# Altium PCB top_1.PcbDoc (part 4 of 5)
Units mil, origin at the board's own origin, x right, y up, seen from the top; angles counter-clockwise.
Board outline 12029.02 x 5828 mil, 2 copper layers (Top Layer, Bottom Layer); 775 components, 466 nets, 1984 pads, 387 vias.
Unrouted connection lines stored in the file: 279.
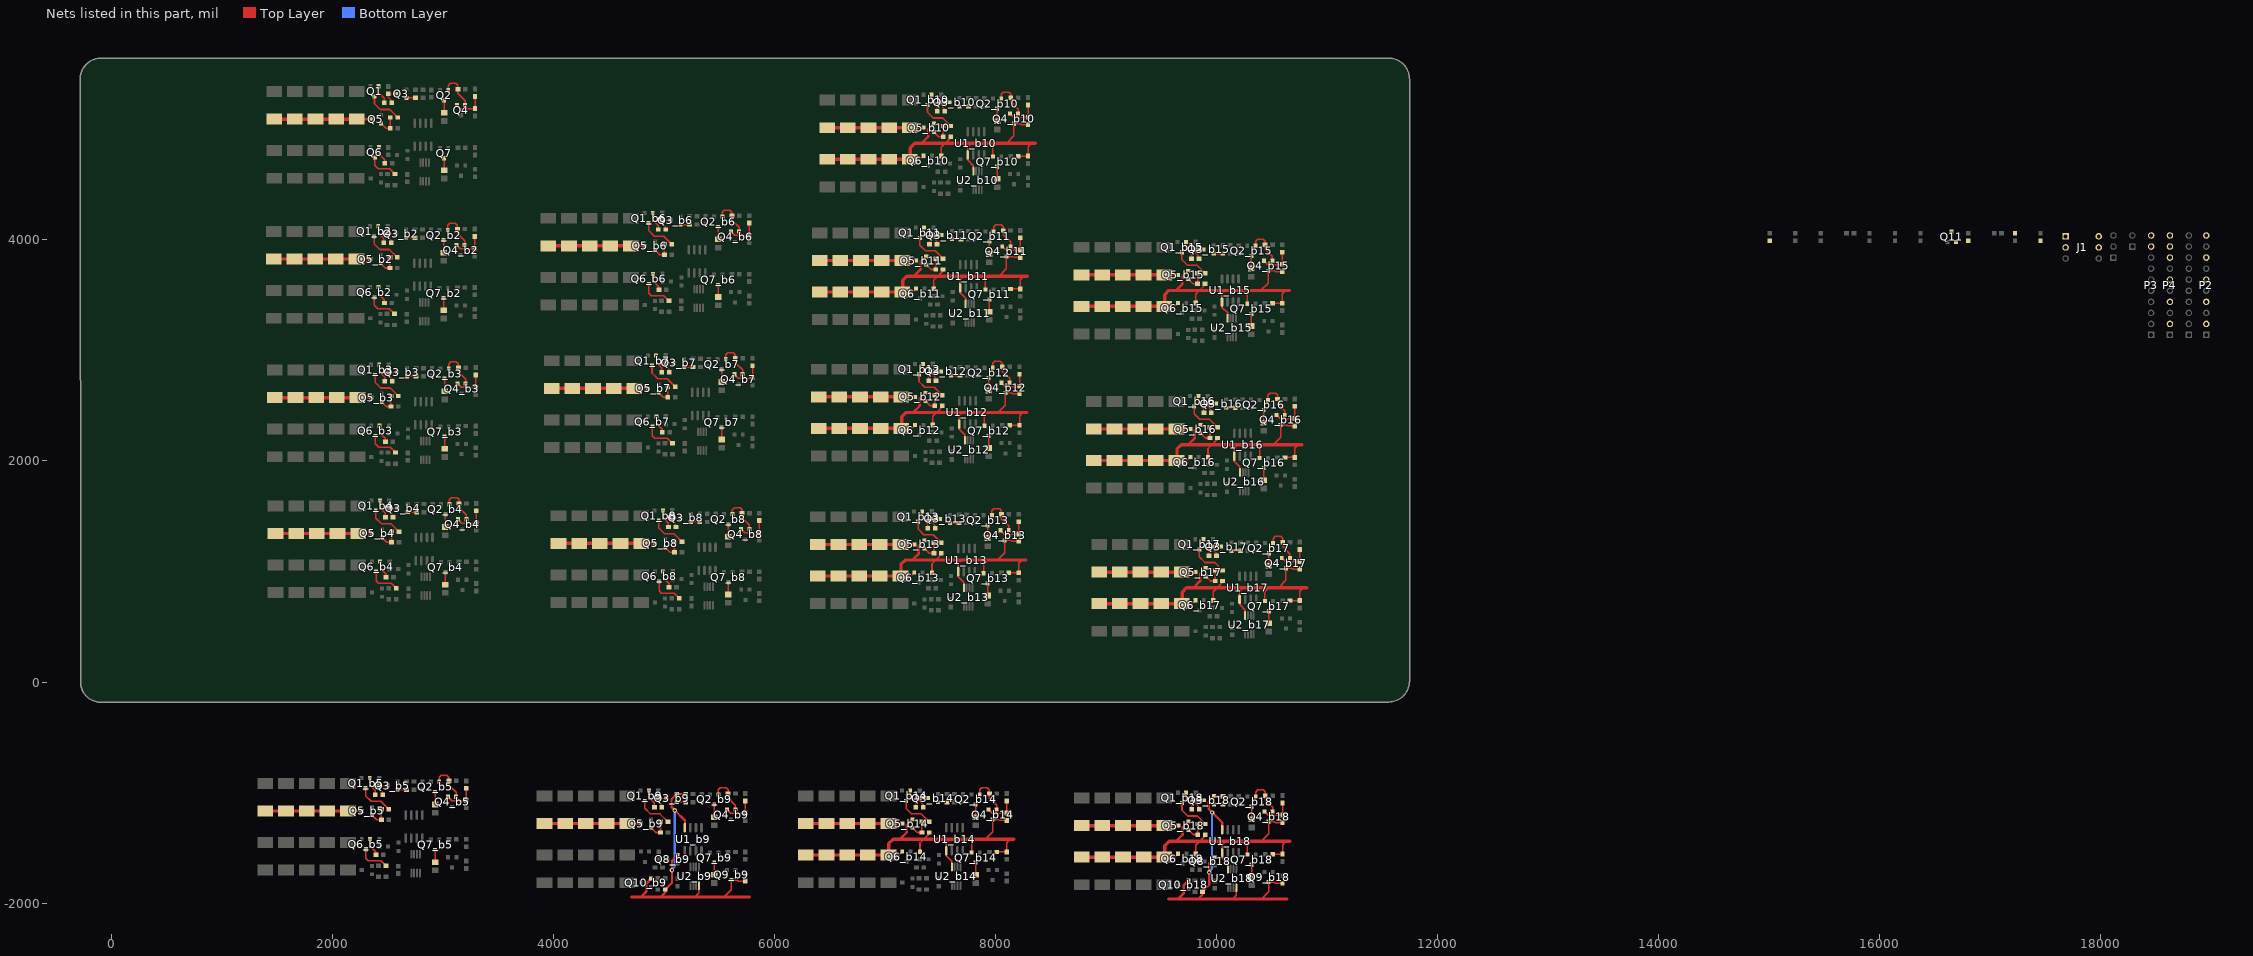
[diagram p4: the nets of this part, all layers, seen from the top]

## Via types
v1: diameter 20, hole 10, Top Layer to Bottom Layer, 346 vias
v2: diameter 40, hole 20, Top Layer to Bottom Layer, 39 vias
v3: diameter 125.98, hole 125.98, Top Layer to Bottom Layer, 2 vias

## Nets (pads, with @x,y where several pads share a name; then routed paths per layer and width w, separated by ;. In a path a pad name is that pad's centre, name@x,y a point inside that pad or via, vN(x,y) a via of type N, cw(c..) or ccw(c..) an arc to the next point about the centre after c; other vN are vias at no path point) (continued)
IN_B9: P2.2 Q4_b10.3 Q5_b10.2 Q6_b10.2 Q7_b10.2 R13_b10.1 R14_b10.2 R15_b10.2 R16_b10.2 R17_b10.2 R18_b10.2 R19_b10.2 R20_b10.2 R21_b10.2 R36_b10.1 U1_b10.5 U2_b10.8 | length 3545.2
  Top Layer w12: 7781,4875 7750,4844 U1_b10.5@7750,4770.51 7750,4724 7800.61,4673.39 U2_b10.8@7800.61,4623.65 ; Q7_b10.2@7978.6,4755.26 7978.6,4838.6 8015,4875 ; 8103,4875 8169,4941 Q4_b10.3@8169,5051.74 8227.26,5051.74 8234.46,5044.54 R13_b10.1@8296,5044.54 ; R20_b10.2@8207.93,4759.46 R21_b10.2@8296,4759.46 8296,4844 8327,4875
  Top Layer w15: R18_b10.2@7227,4731 7229.54,4728.46 7317.8,4728.46 Q6_b10.2@7351.6,4762.26 ; R19_b10.2@7512,4760.46 7512,4840 7547,4875 ; 7551,4875 7547,4875 ; R36_b10.1@7596.46,4935.46 7596.46,4924.46 7547,4875
  Top Layer w22: 7333,4875 7393,4935 7393,5002.14 Q5_b10.2@7444.26,5053.4
  Top Layer w30: R14_b10.2@6479,4731 R15_b10.2@6666,4731 R16_b10.2@6853,4731 R17_b10.2@7040,4731 R18_b10.2@7227,4731 7231,4735 7231,4836.46 7269.54,4875 7333,4875 7547,4875 ; 7551,4875 7781,4875 8015,4875 8103,4875 8327,4875 8360.54,4875
IN_B10: P2.4 Q4_b11.3 Q5_b11.2 Q6_b11.2 Q7_b11.2 R13_b11.1 R14_b11.2 R15_b11.2 R16_b11.2 R17_b11.2 R18_b11.2 R19_b11.2 R20_b11.2 R21_b11.2 R36_b11.1 U1_b11.5 U2_b11.8 | length 3545.2
  Top Layer w12: 7712,3673 7681,3642 U1_b11.5@7681,3568.51 7681,3522 7731.61,3471.39 U2_b11.8@7731.61,3421.65 ; Q7_b11.2@7909.6,3553.26 7909.6,3636.6 7946,3673 ; 8034,3673 8100,3739 Q4_b11.3@8100,3849.74 8158.26,3849.74 8165.46,3842.54 R13_b11.1@8227,3842.54 ; R20_b11.2@8138.93,3557.46 R21_b11.2@8227,3557.46 8227,3642 8258,3673
  Top Layer w15: R18_b11.2@7158,3529 7160.54,3526.46 7248.8,3526.46 Q6_b11.2@7282.6,3560.26 ; R19_b11.2@7443,3558.46 7443,3638 7478,3673 ; 7482,3673 7478,3673 ; R36_b11.1@7527.46,3733.46 7527.46,3722.46 7478,3673
  Top Layer w22: 7264,3673 7324,3733 7324,3800.14 Q5_b11.2@7375.26,3851.4
  Top Layer w30: R14_b11.2@6410,3529 R15_b11.2@6597,3529 R16_b11.2@6784,3529 R17_b11.2@6971,3529 R18_b11.2@7158,3529 7162,3533 7162,3634.46 7200.54,3673 7264,3673 7478,3673 ; 7482,3673 7712,3673 7946,3673 8034,3673 8258,3673 8291.54,3673
IN_B11: P2.6 Q4_b12.3 Q5_b12.2 Q6_b12.2 Q7_b12.2 R13_b12.1 R14_b12.2 R15_b12.2 R16_b12.2 R17_b12.2 R18_b12.2 R19_b12.2 R20_b12.2 R21_b12.2 R36_b12.1 U1_b12.5 U2_b12.8 | length 3545.2
  Top Layer w12: 7704,2439 7673,2408 U1_b12.5@7673,2334.51 7673,2288 7723.61,2237.39 U2_b12.8@7723.61,2187.65 ; Q7_b12.2@7901.6,2319.26 7901.6,2402.6 7938,2439 ; 8026,2439 8092,2505 Q4_b12.3@8092,2615.74 8150.26,2615.74 8157.46,2608.54 R13_b12.1@8219,2608.54 ; R20_b12.2@8130.93,2323.46 R21_b12.2@8219,2323.46 8219,2408 8250,2439
  Top Layer w15: R18_b12.2@7150,2295 7152.54,2292.46 7240.8,2292.46 Q6_b12.2@7274.6,2326.26 ; R19_b12.2@7435,2324.46 7435,2404 7470,2439 ; 7474,2439 7470,2439 ; R36_b12.1@7519.46,2499.46 7519.46,2488.46 7470,2439
  Top Layer w22: 7256,2439 7316,2499 7316,2566.14 Q5_b12.2@7367.26,2617.4
  Top Layer w30: R14_b12.2@6402,2295 R15_b12.2@6589,2295 R16_b12.2@6776,2295 R17_b12.2@6963,2295 R18_b12.2@7150,2295 7154,2299 7154,2400.46 7192.54,2439 7256,2439 7470,2439 ; 7474,2439 7704,2439 7938,2439 8026,2439 8250,2439 8283.54,2439
IN_B12: P2.8 Q4_b13.3 Q5_b13.2 Q6_b13.2 Q7_b13.2 R13_b13.1 R14_b13.2 R15_b13.2 R16_b13.2 R17_b13.2 R18_b13.2 R19_b13.2 R20_b13.2 R21_b13.2 R36_b13.1 U1_b13.5 U2_b13.8 | length 3545.2
  Top Layer w12: 7696,1104 7665,1073 U1_b13.5@7665,999.51 7665,953 7715.61,902.39 U2_b13.8@7715.61,852.65 ; Q7_b13.2@7893.6,984.26 7893.6,1067.6 7930,1104 ; 8018,1104 8084,1170 Q4_b13.3@8084,1280.74 8142.26,1280.74 8149.46,1273.54 R13_b13.1@8211,1273.54 ; R20_b13.2@8122.93,988.46 R21_b13.2@8211,988.46 8211,1073 8242,1104
  Top Layer w15: R18_b13.2@7142,960 7144.54,957.46 7232.8,957.46 Q6_b13.2@7266.6,991.26 ; R19_b13.2@7427,989.46 7427,1069 7462,1104 ; 7466,1104 7462,1104 ; R36_b13.1@7511.46,1164.46 7511.46,1153.46 7462,1104
  Top Layer w22: 7248,1104 7308,1164 7308,1231.14 Q5_b13.2@7359.26,1282.4
  Top Layer w30: R14_b13.2@6394,960 R15_b13.2@6581,960 R16_b13.2@6768,960 R17_b13.2@6955,960 R18_b13.2@7142,960 7146,964 7146,1065.46 7184.54,1104 7248,1104 7462,1104 ; 7466,1104 7696,1104 7930,1104 8018,1104 8242,1104 8275.54,1104
IN_B13: P2.10 Q4_b14.3 Q5_b14.2 Q6_b14.2 Q7_b14.2 R13_b14.1 R14_b14.2 R15_b14.2 R16_b14.2 R17_b14.2 R18_b14.2 R19_b14.2 R20_b14.2 R21_b14.2 R36_b14.1 U1_b14.5 U2_b14.8 | length 3545.2
  Top Layer w12: 7587,-1422 7556,-1453 U1_b14.5@7556,-1526.49 7556,-1573 7606.61,-1623.61 U2_b14.8@7606.61,-1673.35 ; Q7_b14.2@7784.6,-1541.74 7784.6,-1458.4 7821,-1422 ; 7909,-1422 7975,-1356 Q4_b14.3@7975,-1245.26 8033.26,-1245.26 8040.46,-1252.46 R13_b14.1@8102,-1252.46 ; R20_b14.2@8013.93,-1537.54 R21_b14.2@8102,-1537.54 8102,-1453 8133,-1422
  Top Layer w15: R18_b14.2@7033,-1566 7035.54,-1568.54 7123.8,-1568.54 Q6_b14.2@7157.6,-1534.74 ; R19_b14.2@7318,-1536.54 7318,-1457 7353,-1422 ; 7357,-1422 7353,-1422 ; R36_b14.1@7402.46,-1361.54 7402.46,-1372.54 7353,-1422
  Top Layer w22: 7139,-1422 7199,-1362 7199,-1294.86 Q5_b14.2@7250.26,-1243.6
  Top Layer w30: R14_b14.2@6285,-1566 R15_b14.2@6472,-1566 R16_b14.2@6659,-1566 R17_b14.2@6846,-1566 R18_b14.2@7033,-1566 7037,-1562 7037,-1460.54 7075.54,-1422 7139,-1422 7353,-1422 ; 7357,-1422 7587,-1422 7821,-1422 7909,-1422 8133,-1422 8166.54,-1422
IN_B14: P4.2 Q4_b15.3 Q5_b15.2 Q6_b15.2 Q7_b15.2 R13_b15.1 R14_b15.2 R15_b15.2 R16_b15.2 R17_b15.2 R18_b15.2 R19_b15.2 R20_b15.2 R21_b15.2 R36_b15.1 U1_b15.5 U2_b15.8 | length 3545.2
  Top Layer w12: 10082,3543 10051,3512 U1_b15.5@10051,3438.51 10051,3392 10101.61,3341.39 U2_b15.8@10101.61,3291.65 ; Q7_b15.2@10279.6,3423.26 10279.6,3506.6 10316,3543 ; 10404,3543 10470,3609 Q4_b15.3@10470,3719.74 10528.26,3719.74 10535.46,3712.54 R13_b15.1@10597,3712.54 ; R20_b15.2@10508.93,3427.46 R21_b15.2@10597,3427.46 10597,3512 10628,3543
  Top Layer w15: R18_b15.2@9528,3399 9530.54,3396.46 9618.8,3396.46 Q6_b15.2@9652.6,3430.26 ; R19_b15.2@9813,3428.46 9813,3508 9848,3543 ; 9852,3543 9848,3543 ; R36_b15.1@9897.46,3603.46 9897.46,3592.46 9848,3543
  Top Layer w22: 9634,3543 9694,3603 9694,3670.14 Q5_b15.2@9745.26,3721.4
  Top Layer w30: R14_b15.2@8780,3399 R15_b15.2@8967,3399 R16_b15.2@9154,3399 R17_b15.2@9341,3399 R18_b15.2@9528,3399 9532,3403 9532,3504.46 9570.54,3543 9634,3543 9848,3543 ; 9852,3543 10082,3543 10316,3543 10404,3543 10628,3543 10661.54,3543
IN_B15: P4.4 Q4_b16.3 Q5_b16.2 Q6_b16.2 Q7_b16.2 R13_b16.1 R14_b16.2 R15_b16.2 R16_b16.2 R17_b16.2 R18_b16.2 R19_b16.2 R20_b16.2 R21_b16.2 R36_b16.1 U1_b16.5 U2_b16.8 | length 3545.2
  Top Layer w12: 10194,2148 10163,2117 U1_b16.5@10163,2043.51 10163,1997 10213.61,1946.39 U2_b16.8@10213.61,1896.65 ; Q7_b16.2@10391.6,2028.26 10391.6,2111.6 10428,2148 ; 10516,2148 10582,2214 Q4_b16.3@10582,2324.74 10640.26,2324.74 10647.46,2317.54 R13_b16.1@10709,2317.54 ; R20_b16.2@10620.93,2032.46 R21_b16.2@10709,2032.46 10709,2117 10740,2148
  Top Layer w15: R18_b16.2@9640,2004 9642.54,2001.46 9730.8,2001.46 Q6_b16.2@9764.6,2035.26 ; R19_b16.2@9925,2033.46 9925,2113 9960,2148 ; 9964,2148 9960,2148 ; R36_b16.1@10009.46,2208.46 10009.46,2197.46 9960,2148
  Top Layer w22: 9746,2148 9806,2208 9806,2275.14 Q5_b16.2@9857.26,2326.4
  Top Layer w30: R14_b16.2@8892,2004 R15_b16.2@9079,2004 R16_b16.2@9266,2004 R17_b16.2@9453,2004 R18_b16.2@9640,2004 9644,2008 9644,2109.46 9682.54,2148 9746,2148 9960,2148 ; 9964,2148 10194,2148 10428,2148 10516,2148 10740,2148 10773.54,2148
IN_B16: P4.6 Q4_b17.3 Q5_b17.2 Q6_b17.2 Q7_b17.2 R13_b17.1 R14_b17.2 R15_b17.2 R16_b17.2 R17_b17.2 R18_b17.2 R19_b17.2 R20_b17.2 R21_b17.2 R36_b17.1 U1_b17.5 U2_b17.8 | length 3545.2
  Top Layer w12: 10241,853 10210,822 U1_b17.5@10210,748.51 10210,702 10260.61,651.39 U2_b17.8@10260.61,601.65 ; Q7_b17.2@10438.6,733.26 10438.6,816.6 10475,853 ; 10563,853 10629,919 Q4_b17.3@10629,1029.74 10687.26,1029.74 10694.46,1022.54 R13_b17.1@10756,1022.54 ; R20_b17.2@10667.93,737.46 R21_b17.2@10756,737.46 10756,822 10787,853
  Top Layer w15: R18_b17.2@9687,709 9689.54,706.46 9777.8,706.46 Q6_b17.2@9811.6,740.26 ; R19_b17.2@9972,738.46 9972,818 10007,853 ; 10011,853 10007,853 ; R36_b17.1@10056.46,913.46 10056.46,902.46 10007,853
  Top Layer w22: 9793,853 9853,913 9853,980.14 Q5_b17.2@9904.26,1031.4
  Top Layer w30: R14_b17.2@8939,709 R15_b17.2@9126,709 R16_b17.2@9313,709 R17_b17.2@9500,709 R18_b17.2@9687,709 9691,713 9691,814.46 9729.54,853 9793,853 10007,853 ; 10011,853 10241,853 10475,853 10563,853 10787,853 10820.54,853
IN_B17: P4.8 Q4_b18.3 Q5_b18.2 Q6_b18.2 Q7_b18.2 R13_b18.1 R14_b18.2 R15_b18.2 R16_b18.2 R17_b18.2 R18_b18.2 R19_b18.2 R20_b18.2 R21_b18.2 R36_b18.1 U1_b18.5 U2_b18.8 | length 3545.2
  Top Layer w12: 10084,-1441 10053,-1472 U1_b18.5@10053,-1545.49 10053,-1592 10103.61,-1642.61 U2_b18.8@10103.61,-1692.35 ; Q7_b18.2@10281.6,-1560.74 10281.6,-1477.4 10318,-1441 ; 10406,-1441 10472,-1375 Q4_b18.3@10472,-1264.26 10530.26,-1264.26 10537.46,-1271.46 R13_b18.1@10599,-1271.46 ; R20_b18.2@10510.93,-1556.54 R21_b18.2@10599,-1556.54 10599,-1472 10630,-1441
  Top Layer w15: R18_b18.2@9530,-1585 9532.54,-1587.54 9620.8,-1587.54 Q6_b18.2@9654.6,-1553.74 ; R19_b18.2@9815,-1555.54 9815,-1476 9850,-1441 ; 9854,-1441 9850,-1441 ; R36_b18.1@9899.46,-1380.54 9899.46,-1391.54 9850,-1441
  Top Layer w22: 9636,-1441 9696,-1381 9696,-1313.86 Q5_b18.2@9747.26,-1262.6
  Top Layer w30: R14_b18.2@8782,-1585 R15_b18.2@8969,-1585 R16_b18.2@9156,-1585 R17_b18.2@9343,-1585 R18_b18.2@9530,-1585 9534,-1581 9534,-1479.54 9572.54,-1441 9636,-1441 9850,-1441 ; 9854,-1441 10084,-1441 10318,-1441 10406,-1441 10630,-1441 10663.54,-1441
IN_C17: P3.9 P3.10 P4.9 P4.10 Q3_b9.2 Q3_b18.2 Q8_b9.2 Q8_b18.2 Q9_b9.3 Q9_b18.3 Q10_b9.2 Q10_b18.2 Q11.2 R12_b9.1 R12_b18.1 R24_b9.1 R24_b18.1 R28.1 R38_b9.1 R38_b18.1 U1_b9.4 U1_b18.4 U2_b9.4 U2_b18.4 | length 6302
  Top Layer w12: 5284,-1946 5284.93,-1945.07 5318.39,-1911.61 U2_b9.4@5318.39,-1842.65 ; 5545,-1946 5545.93,-1945.07 5611,-1880 Q9_b9.3@5611,-1792.26 5663.74,-1792.26 5672.94,-1801.46 R24_b9.1@5737,-1801.46 ; 5774,-1945.07 5775,-1945.07 ; 10146,-1965 10146.93,-1964.07 10180.39,-1930.61 U2_b18.4@10180.39,-1861.65 ; 10407,-1965 10407.93,-1964.07 10473,-1899 Q9_b18.3@10473,-1811.26 10525.74,-1811.26 10534.94,-1820.46 R24_b18.1@10599,-1820.46 ; 10636,-1964.07 10637,-1964.07
  Top Layer w20: 4975,-1942.46 5012.46,-1905 R38_b9.1@5012.46,-1877.54 5074,-1816 5074,-1730.54 5073,-1729.54 v2(5073,-1703.54) 5073,-1617.86 Q8_b9.2@5124.26,-1566.6 ; 4995,-1946 4995.93,-1945.07 ; U1_b9.4@5191,-1317.51 5191,-1252.73 v2(5099.87,-1161.6) 5068.87,-1130.6 5068.87,-1061.46 Q3_b9.2@5117.13,-1013.2 R12_b9.1@5198,-1013.2 ; 9837,-1961.46 9874.46,-1924 R38_b18.1@9874.46,-1896.54 9936,-1835 9936,-1749.54 9935,-1748.54 v2(9935,-1722.54) 9935,-1636.86 Q8_b18.2@9986.26,-1585.6 ; 9857,-1965 9857.93,-1964.07 ; U1_b18.4@10053,-1336.51 10053,-1271.73 v2(9961.87,-1180.6) 9930.87,-1149.6 9930.87,-1080.46 Q3_b18.2@9979.13,-1032.2 R12_b18.1@10060,-1032.2
  Top Layer w22: 4790,-1946 4790.93,-1945.07 4842,-1894 4842,-1821.86 Q10_b9.2@4885.26,-1778.6 ; 9652,-1965 9652.93,-1964.07 9704,-1913 9704,-1840.86 Q10_b18.2@9747.26,-1797.6
  Top Layer w30: 4708,-1945.07 4790.93,-1945.07 4995.93,-1945.07 5284.93,-1945.07 5545.93,-1945.07 5774,-1945.07 ; 9570,-1964.07 9652.93,-1964.07 9857.93,-1964.07 10146.93,-1964.07 10407.93,-1964.07 10636,-1964.07
  Bottom Layer w20: v2(5073,-1703.54) 5073,-1696 5099.87,-1669.13 v2(5099.87,-1161.6) ; v2(9935,-1722.54) 9935,-1715 9961.87,-1688.13 v2(9961.87,-1180.6)
NetD1_1: D1.1 Q2.3 | length 113.3
  Top Layer w12: D1.1@3012,5151.4 Q2.3@3012,5264.74
NetD1_b2_1: D1_b2.1 Q2_b2.3 | length 113.3
  Top Layer w12: D1_b2.1@3008,3885.4 Q2_b2.3@3008,3998.74
NetD1_b3_1: D1_b3.1 Q2_b3.3 | length 113.3
  Top Layer w12: D1_b3.1@3017,2631.4 Q2_b3.3@3017,2744.74
NetD1_b4_1: D1_b4.1 Q2_b4.3 | length 113.3
  Top Layer w12: D1_b4.1@3023,1402.4 Q2_b4.3@3023,1515.74
NetD1_b5_1: D1_b5.1 Q2_b5.3 | length 113.3
  Top Layer w12: D1_b5.1@2931,-1108.6 Q2_b5.3@2931,-995.26
NetD1_b6_1: D1_b6.1 Q2_b6.3 | length 113.3
  Top Layer w12: D1_b6.1@5492,4005.4 Q2_b6.3@5492,4118.74
NetD1_b7_1: D1_b7.1 Q2_b7.3 | length 113.3
  Top Layer w12: D1_b7.1@5523,2715.4 Q2_b7.3@5523,2828.74
NetD1_b8_1: D1_b8.1 Q2_b8.3 | length 113.3
  Top Layer w12: D1_b8.1@5584,1313.4 Q2_b8.3@5584,1426.74
NetD1_b9_1: D1_b9.1 Q2_b9.3 | length 113.3
  Top Layer w12: D1_b9.1@5457,-1222.6 Q2_b9.3@5457,-1109.26
NetD1_b10_1: D1_b10.1 Q2_b10.3 | length 113.3
  Top Layer w12: D1_b10.1@8016,5074.4 Q2_b10.3@8016,5187.74
NetD1_b11_1: D1_b11.1 Q2_b11.3 | length 113.3
  Top Layer w12: D1_b11.1@7947,3872.4 Q2_b11.3@7947,3985.74
NetD1_b12_1: D1_b12.1 Q2_b12.3 | length 113.3
  Top Layer w12: D1_b12.1@7939,2638.4 Q2_b12.3@7939,2751.74
NetD1_b13_1: D1_b13.1 Q2_b13.3 | length 113.3
  Top Layer w12: D1_b13.1@7931,1303.4 Q2_b13.3@7931,1416.74
NetD1_b14_1: D1_b14.1 Q2_b14.3 | length 113.3
  Top Layer w12: D1_b14.1@7822,-1222.6 Q2_b14.3@7822,-1109.26
NetD1_b15_1: D1_b15.1 Q2_b15.3 | length 113.3
  Top Layer w12: D1_b15.1@10317,3742.4 Q2_b15.3@10317,3855.74
NetD1_b16_1: D1_b16.1 Q2_b16.3 | length 113.3
  Top Layer w12: D1_b16.1@10429,2347.4 Q2_b16.3@10429,2460.74
NetD1_b17_1: D1_b17.1 Q2_b17.3 | length 113.3
  Top Layer w12: D1_b17.1@10476,1052.4 Q2_b17.3@10476,1165.74
NetD1_b18_1: D1_b18.1 Q2_b18.3 | length 113.3
  Top Layer w12: D1_b18.1@10319,-1241.6 Q2_b18.3@10319,-1128.26
NetD2_1: D2.1 Q7.3 | length 109.3
  Top Layer w12: D2.1@3012,4630.4 Q7.3@3012,4739.74
NetD2_b2_1: D2_b2.1 Q7_b2.3 | length 109.3
  Top Layer w12: D2_b2.1@3008,3364.4 Q7_b2.3@3008,3473.74
NetD2_b3_1: D2_b3.1 Q7_b3.3 | length 109.3
  Top Layer w12: D2_b3.1@3017,2110.4 Q7_b3.3@3017,2219.74
NetD2_b4_1: D2_b4.1 Q7_b4.3 | length 109.3
  Top Layer w12: D2_b4.1@3023,881.4 Q7_b4.3@3023,990.74
NetD2_b5_1: D2_b5.1 Q7_b5.3 | length 109.3
  Top Layer w12: D2_b5.1@2931,-1629.6 Q7_b5.3@2931,-1520.26
NetD2_b6_1: D2_b6.1 Q7_b6.3 | length 109.3
  Top Layer w12: D2_b6.1@5492,3484.4 Q7_b6.3@5492,3593.74
NetD2_b7_1: D2_b7.1 Q7_b7.3 | length 109.3
  Top Layer w12: D2_b7.1@5523,2194.4 Q7_b7.3@5523,2303.74
NetD2_b8_1: D2_b8.1 Q7_b8.3 | length 109.3
  Top Layer w12: D2_b8.1@5584,792.4 Q7_b8.3@5584,901.74
NetD2_b9_1: D2_b9.1 Q7_b9.3 | length 109.3
  Top Layer w12: D2_b9.1@5457,-1743.6 Q7_b9.3@5457,-1634.26
NetD2_b10_1: D2_b10.1 Q7_b10.3 | length 109.3
  Top Layer w12: D2_b10.1@8016,4553.4 Q7_b10.3@8016,4662.74
NetD2_b11_1: D2_b11.1 Q7_b11.3 | length 109.3
  Top Layer w12: D2_b11.1@7947,3351.4 Q7_b11.3@7947,3460.74
NetD2_b12_1: D2_b12.1 Q7_b12.3 | length 109.3
  Top Layer w12: D2_b12.1@7939,2117.4 Q7_b12.3@7939,2226.74
NetD2_b13_1: D2_b13.1 Q7_b13.3 | length 109.3
  Top Layer w12: D2_b13.1@7931,782.4 Q7_b13.3@7931,891.74
NetD2_b14_1: D2_b14.1 Q7_b14.3 | length 109.3
  Top Layer w12: D2_b14.1@7822,-1743.6 Q7_b14.3@7822,-1634.26
NetD2_b15_1: D2_b15.1 Q7_b15.3 | length 109.3
  Top Layer w12: D2_b15.1@10317,3221.4 Q7_b15.3@10317,3330.74
NetD2_b16_1: D2_b16.1 Q7_b16.3 | length 109.3
  Top Layer w12: D2_b16.1@10429,1826.4 Q7_b16.3@10429,1935.74
NetD2_b17_1: D2_b17.1 Q7_b17.3 | length 109.3
  Top Layer w12: D2_b17.1@10476,531.4 Q7_b17.3@10476,640.74
NetD2_b18_1: D2_b18.1 Q7_b18.3 | length 109.3
  Top Layer w12: D2_b18.1@10319,-1762.6 Q7_b18.3@10319,-1653.26
NetJ1_1: J1.1 R25.2
NetJ1_2: J1.2 Q11.3
NetJ1_5: J1.5 R27.1
NetJ1_6: J1.6 R26.1
NetQ1_1: Q1.1 R35.2 | length 171.2
  Top Layer w12: Q1.1@2419.94,5390.72 2419.94,5331.53 2470.54,5280.93 R35.2@2470.54,5240.46
NetQ1_3: Q1.3 R11.2 | length 327.3
  Top Layer w15: Q1.3@2382.54,5298.2 2382.54,5231.93 2434,5180.46 2520.46,5180.46 R11.2@2592.46,5108.46
NetQ1_b2_1: Q1_b2.1 R35_b2.2 | length 171.2
  Top Layer w12: Q1_b2.1@2415.94,4124.72 2415.94,4065.53 2466.54,4014.93 R35_b2.2@2466.54,3974.46
NetQ1_b2_3: Q1_b2.3 R11_b2.2 | length 327.3
  Top Layer w15: Q1_b2.3@2378.54,4032.2 2378.54,3965.93 2430,3914.46 2516.46,3914.46 R11_b2.2@2588.46,3842.46
NetQ1_b3_1: Q1_b3.1 R35_b3.2 | length 171.2
  Top Layer w12: Q1_b3.1@2424.94,2870.72 2424.94,2811.53 2475.54,2760.93 R35_b3.2@2475.54,2720.46
NetQ1_b3_3: Q1_b3.3 R11_b3.2 | length 327.3
  Top Layer w15: Q1_b3.3@2387.54,2778.2 2387.54,2711.93 2439,2660.46 2525.46,2660.46 R11_b3.2@2597.46,2588.46
NetQ1_b4_1: Q1_b4.1 R35_b4.2 | length 171.2
  Top Layer w12: Q1_b4.1@2430.94,1641.72 2430.94,1582.53 2481.54,1531.93 R35_b4.2@2481.54,1491.46
NetQ1_b4_3: Q1_b4.3 R11_b4.2 | length 327.3
  Top Layer w15: Q1_b4.3@2393.54,1549.2 2393.54,1482.93 2445,1431.46 2531.46,1431.46 R11_b4.2@2603.46,1359.46
NetQ1_b5_1: Q1_b5.1 R35_b5.2 | length 171.2
  Top Layer w12: Q1_b5.1@2338.94,-869.28 2338.94,-928.47 2389.54,-979.07 R35_b5.2@2389.54,-1019.54
NetQ1_b5_3: Q1_b5.3 R11_b5.2 | length 327.3
  Top Layer w15: Q1_b5.3@2301.54,-961.8 2301.54,-1028.07 2353,-1079.54 2439.46,-1079.54 R11_b5.2@2511.46,-1151.54
NetQ1_b6_1: Q1_b6.1 R35_b6.2 | length 171.2
  Top Layer w12: Q1_b6.1@4899.94,4244.72 4899.94,4185.53 4950.54,4134.93 R35_b6.2@4950.54,4094.46
NetQ1_b6_3: Q1_b6.3 R11_b6.2 | length 327.3
  Top Layer w15: Q1_b6.3@4862.54,4152.2 4862.54,4085.93 4914,4034.46 5000.46,4034.46 R11_b6.2@5072.46,3962.46
NetQ1_b7_1: Q1_b7.1 R35_b7.2 | length 171.2
  Top Layer w12: Q1_b7.1@4930.94,2954.72 4930.94,2895.53 4981.54,2844.93 R35_b7.2@4981.54,2804.46
NetQ1_b7_3: Q1_b7.3 R11_b7.2 | length 327.3
  Top Layer w15: Q1_b7.3@4893.54,2862.2 4893.54,2795.93 4945,2744.46 5031.46,2744.46 R11_b7.2@5103.46,2672.46
NetQ1_b8_1: Q1_b8.1 R35_b8.2 | length 171.2
  Top Layer w12: Q1_b8.1@4991.94,1552.72 4991.94,1493.53 5042.54,1442.93 R35_b8.2@5042.54,1402.46
NetQ1_b8_3: Q1_b8.3 R11_b8.2 | length 327.3
  Top Layer w15: Q1_b8.3@4954.54,1460.2 4954.54,1393.93 5006,1342.46 5092.46,1342.46 R11_b8.2@5164.46,1270.46
NetQ1_b9_1: Q1_b9.1 R35_b9.2 | length 171.2
  Top Layer w12: Q1_b9.1@4864.94,-983.28 4864.94,-1042.47 4915.54,-1093.07 R35_b9.2@4915.54,-1133.54
NetQ1_b9_3: Q1_b9.3 R11_b9.2 | length 327.3
  Top Layer w15: Q1_b9.3@4827.54,-1075.8 4827.54,-1142.07 4879,-1193.54 4965.46,-1193.54 R11_b9.2@5037.46,-1265.54
NetQ1_b10_1: Q1_b10.1 R35_b10.2 | length 171.2
  Top Layer w12: Q1_b10.1@7423.94,5313.72 7423.94,5254.53 7474.54,5203.93 R35_b10.2@7474.54,5163.46
NetQ1_b10_3: Q1_b10.3 R11_b10.2 | length 327.3
  Top Layer w15: Q1_b10.3@7386.54,5221.2 7386.54,5154.93 7438,5103.46 7524.46,5103.46 R11_b10.2@7596.46,5031.46
NetQ1_b11_1: Q1_b11.1 R35_b11.2 | length 171.2
  Top Layer w12: Q1_b11.1@7354.94,4111.72 7354.94,4052.53 7405.54,4001.93 R35_b11.2@7405.54,3961.46
NetQ1_b11_3: Q1_b11.3 R11_b11.2 | length 327.3
  Top Layer w15: Q1_b11.3@7317.54,4019.2 7317.54,3952.93 7369,3901.46 7455.46,3901.46 R11_b11.2@7527.46,3829.46
NetQ1_b12_1: Q1_b12.1 R35_b12.2 | length 171.2